# Altium PCB MODULE_CONTROL_V1.0.PcbDoc (part 1 of 2) (continued)
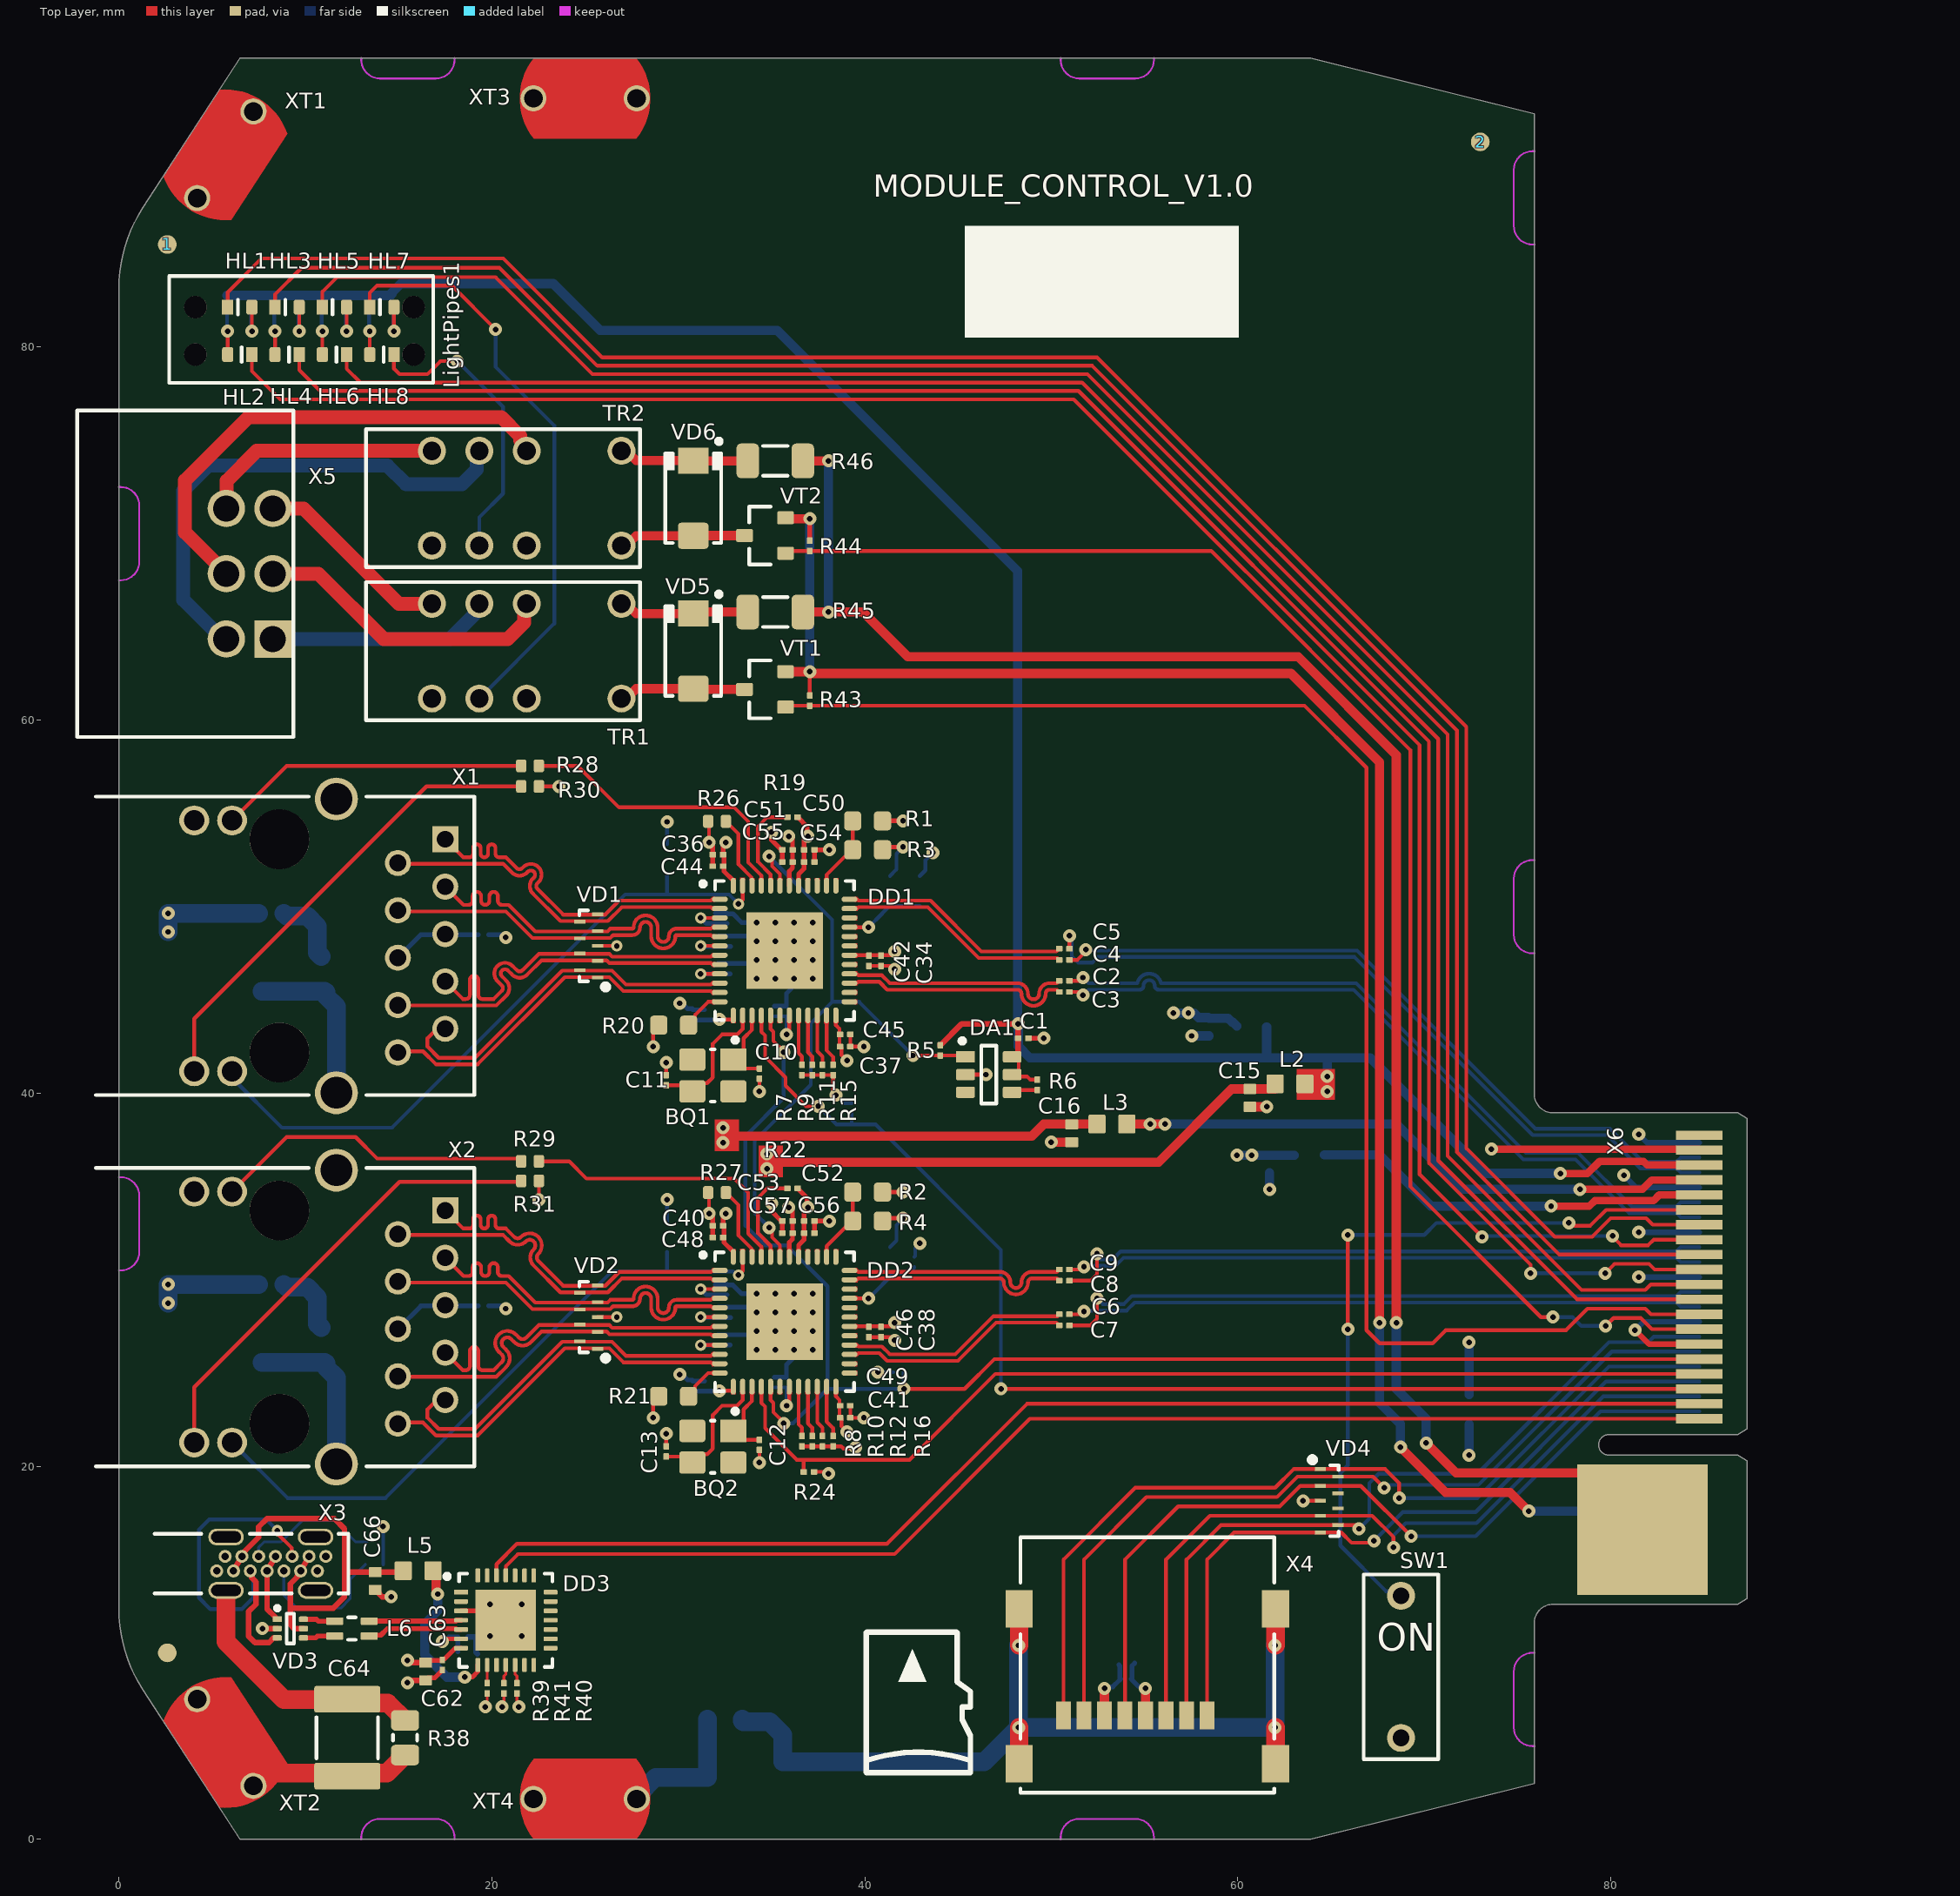
[diagram p0: Top Layer view]
## Components (designator, comment, footprint, x,y, rotation, side; value= is the part's Value field where it differs from the comment) (continued)
VD5 "GS1M" "DO-214AC (SMA) Polar" 30.8,63.7 r270 top
VD6 "GS1M" "DO-214AC (SMA) Polar" 30.8,71.9 r270 top
VT1 "2N7002K" SOT23-3 34.65,61.65 r180 top
VT2 "2N7002K" SOT23-3 34.65,69.9 r180 top
X1 "WE-RJ45LAN 7499111447" 7499111447 10.773,47.9 r90 top locked
X2 "WE-RJ45LAN 7499111447" 7499111447 10.773,28 r90 top locked
X3 "KUSBX-SL-CS1N14" KUSBX-SL-CS1N14 8.175,14.78 r270 top locked
X4 "WR-CRD 693072010801" 693072010801 54.5,6.65 r0 top locked
X5 "DMC-1-5-3-G1F-3-5-LR-P20THR" "DMC 1,5_3-G1F-3,5-LR" 7.013,67.85 r90 top locked
X6 "EDGE AMPHENOL CE1204000110111" "EDGE AMPHENOL CE1204000110111" 79.9,21.15 r90 top locked
XT1 "WP-SMRA 7466313" 7466313 5.711,90.31 r57 top locked
XT2 "WP-SMRA 7466313" 7466313 5.711,5.19 r123 top locked
XT3 "WP-SMRA 7466313" 7466313 25,93.335 r0 top locked
XT4 "WP-SMRA 7466313" 7466313 25,2.165 r0 top locked
? "Comment" TAB_d0,5_e0,75_q6_offset0,1_keepout 75.9,7.5 r270 top locked
? "Comment" TAB_d0,5_e0,75_q6_offset0,1_keepout 75.9,50 r270 top locked
? "Comment" TAB_d0,5_e0,75_q6_offset0,1_keepout 75.9,88 r270 top locked
? "Comment" TAB_d0,5_e0,75_q6_offset0,1_keepout 53,95.5 r0 top locked
? "Comment" TAB_d0,5_e0,75_q6_offset0,1_keepout 15.5,95.5 r0 top locked
? "Comment" TAB_d0,5_e0,75_q6_offset0,1_keepout 53,0 r180 top locked
? "Comment" TAB_d0,5_e0,75_q6_offset0,1_keepout 15.5,0 r180 top locked
? "Comment" TAB_d0,5_e0,75_q6_offset0,1_keepout 0,70 r90 top locked
? "Comment" TAB_d0,5_e0,75_q6_offset0,1_keepout 0,33 r90 top locked
? "Comment" Fiducial 2.6,10 r0 top locked

## Footprints (in the part's own frame and the unit in brackets; to place one, negate y for a bottom-side part, rotate by r counter-clockwise, add the part's x,y. Pads: shape width x height; smd on the part's side, far side on the other; paste and mask are expansions set on the pad)
1296.2024 [mm]
  round 1.2 hole 1.2 unplated paste-5 mask+0: 0(-1.27,-5.85) 0(-1.27,5.85) 0(1.27,-5.85) 0(1.27,5.85)
  silkscreen extent -2.78,-6.9 2.94,7.25, body extent -2.78,-6.9 2.94,10.05, height 11.15
"3225 Crystal" [mm]
  rect 1.4x1.2 smd: 1(-1.1,-0.85)
  rrect25% 1.4x1.2 smd: 2(1.1,-0.85) 3(1.1,0.85) 4(-1.1,0.85)
  silkscreen extent -1.33,-2.02 0.1,1.4, body extent -1.6,-1.25 1.6,1.25, height 0.75
7466313 [mm]
  round 1.4 on Top Paste: 0(-2.77,0) 0(2.77,0)
  round 1.4 hole 1 mask+0: 1(-2.77,0) 1(2.77,0)
  Top Layer region: -2.75,2.165 -3.414,0.772 -3.414,-0.772 -2.75,-2.165 -2.75,-2.165 2.75,-2.165 3.414,-0.772 3.414,0.772 2.75,2.165 2.75,2.165
  body extent -3.5,-2.16 3.5,2.17, height 7.01
7499111447 [mm]
  round 3.2 hole 3.2: 0(-5.715,2.16) 0(5.715,2.16)
  rect 1.4x1.4 hole 0.9: 1(5.715,-6.73)
  round 1.4 hole 0.9: 2(4.445,-4.19) 3(3.175,-6.73) 4(1.905,-4.19) 5(0.635,-6.73) 6(-0.635,-4.19) 7(-1.905,-6.73) 8(-3.175,-4.19) 9(-4.445,-6.73) 10(-5.715,-4.19)
  round 1.6 hole 1.1: 11(6.725,4.7) 12(6.725,6.73) 13(-6.725,4.7) 14(-6.725,6.73)
  round 2.3 hole 1.7: SH(-7.875,-0.89) SH(7.875,-0.89)
  silkscreen extent -8,-8.29 8,12, body extent -9.72,-8.29 9.72,13.01, height 15.29
693072010801 [mm]
  rect 1.45x2 smd: 0(-6.225,-2.6) 0(-6.225,5.7) 0(7.525,-2.6) 0(7.525,5.7)
  rect 0.8x1.5 smd mask+0.07: 1(3.85,0) 2(2.75,0) 3(1.65,0) 4(0.55,0) 5(-0.55,0) 6(-1.65,0) 7(-2.75,0) 8(-3.85,0)
  silkscreen extent -6.15,-4.15 7.45,9.55, body extent -6.6,-4.15 7.9,9.55, height 1.77
A(K)PTD1608CGCK-pads-for-Mentor-lightpipes [mm]
  rrect40% 0.6x0.8 smd: A(0.65,0)
  rect 0.6x0.8 smd: C(-0.65,0)
  silkscreen extent -0.1,-0.4 -0.1,0.4, body extent -0.8,-0.4 0.8,0.4, height 0.96
CAP0201(0603x03)N [mm] "Chip Capacitor, 2-Leads, Body 0,60x0,30mm, IPC Medium Density"
  rrect20% 0.35x0.3 smd paste-3 mask+0.05: 1(-0.275,0) 2(0.275,0)
  body extent -0.3,-0.15 0.3,0.15, height 0.31
CAP0402(1005x05)N [mm] "Chip Capacitor, 2-Leads, Body 1,00x0,50mm, IPC Medium Density"
  rrect20% 0.55x0.69 smd: 1(-0.475,0) 2(0.475,0)
  body extent -0.5,-0.25 0.5,0.25, height 0.51
CAP1812(4532x25)N [mm] "Chip Capacitor, 2-Leads, Body 4,50x3,20mm, IPC Medium Density"
  rrect15% 1.42x3.54 smd: 1(-2.06,0) 2(2.06,0)
  silkscreen extent -1.1,-1.65 1.1,1.65, body extent -2.25,-1.6 2.25,1.6, height 2.51
DFN3810-9L [mm]
  rect 0.2x0.6 smd mask+0.07: 1(-1.7,-0.475) 2(-0.8,-0.475) 3(0,-0.475) 4(0.8,-0.475) 5(1.7,-0.475) 6(1.3,0.475) 7(0.4,0.475) 8(-0.4,0.475) 9(-1.3,0.475)
  silkscreen extent -2.3,-1 1.9,0.5, body extent -1.9,-0.5 1.9,0.5, height 0.55
"DMC 1,5_3-G1F-3,5-LR" [mm]
  rect 2x2 hole 1.4: 1(-3.5,-1.25)
  round 2 hole 1.4: 2(-3.5,1.25) 3(0,-1.25) 4(0,1.25) 5(3.5,-1.25) 6(3.5,1.25)
  silkscreen extent -8.75,-2.35 8.75,9.25, body extent -8.75,-2.35 8.75,9.25, height 10.81
"DO-214AC (SMA) Polar" [mm]
  rrect25% 1.4x1.64 smd: A(2.015,0)
  rect 1.4x1.64 smd: C(-2.015,0)
  silkscreen extent -3.17,-1.5 2.4,1.5, body extent -2.8,-1.47 2.8,1.48, height 2.7
DS1040-01RN [mm]
  round 1.5 hole 0.9: 1(0,-3.81) 2(0,3.81)
  silkscreen extent -2,-4.95 2,4.95, body extent -1.92,-4.95 1.92,4.95, height 6.86
"EDGE AMPHENOL CE1204000110111" [mm]
  rect 0.5x2.5 smd paste-10 mask+0: 1(1.4,-4.85) 3(2.2,-4.85) 5(3,-4.85) 7(3.8,-4.85) 9(4.6,-4.85) 11(5.4,-4.85) 13(6.2,-4.85) 15(7,-4.85) 17(7.8,-4.85) 19(8.6,-4.85) 21(9.4,-4.85) 23(10.2,-4.85) 25(11,-4.85) 27(11.8,-4.85) 29(12.6,-4.85) 31(13.4,-4.85) 33(14.2,-4.85) 35(15,-4.85) 37(15.8,-4.85) 39(16.6,-4.85)
  rect 0.5x2.5 smd far side paste-10 mask+0: 2(1,-4.85) 4(1.8,-4.85) 6(2.6,-4.85) 8(3.4,-4.85) 10(4.2,-4.85) 12(5,-4.85) 14(5.8,-4.85) 16(6.6,-4.85) 18(7.4,-4.85) 20(8.2,-4.85) 22(9,-4.85) 24(9.8,-4.85) 26(10.6,-4.85) 28(11.4,-4.85) 30(12.2,-4.85) 32(13,-4.85) 34(13.8,-4.85) 36(14.6,-4.85) 38(15.4,-4.85) 40(16.2,-4.85)
  rect 7x7 smd paste-10 mask+0: P1(-4.55,-1.8)
  rect 7x7 smd far side paste-10 mask+0: P2(-4.55,-1.8)
  Top Layer region: -7.56,-16.51
Fiducial [mm]
  round 1 smd paste-5 mask+0.5: FM(0,0)
  Top Layer pour cut-out: 0,1.25 0.478,1.155 0.884,0.884 1.155,0.478 1.25,0 1.25,0 1.155,-0.478 0.884,-0.884 0.478,-1.155 0,-1.25 0,-1.25 -0.478,-1.155 -0.884,-0.884 -1.155,-0.478 -1.25,0 -1.25,0 -1.155,0.478 -0.884,0.884 -0.478,1.155 0,1.25
IND0603N [mm] "Chip Inductor, 2-Leads, Body 1,60x0,80mm, IPC Medium Density"
  rrect20% 0.92x1.02 smd: 1(-0.8,0) 2(0.8,0)
  body extent -0.88,-0.48 0.87,0.47, height 1.01
KUSBX-SL-CS1N14 [mm]
  round 0.7 hole 0.4 mask+0.06: A1(-0.39,-2.475) A4(-0.39,-1.575) A5(-0.39,-0.675) A6(-0.39,0.225) A7(-0.39,1.125) A9(-0.39,2.025) A12(-0.39,2.925) B1(0.39,2.475) B4(0.39,1.575) B5(0.39,0.675) B6(0.39,-0.225) B7(0.39,-1.125) B9(0.39,-2.025) B12(0.39,-2.925)
  oval 0.9x1.9 hole 0.6 slot 1.6 at 90 deg mask+0.07: SH(-1.43,2.375) SH(-1.43,-2.425) SH(1.43,2.375) SH(1.43,-2.425)
  silkscreen extent -1.6,-6.25 1.6,4.14, body extent -1.9,-10.41 1.9,4.14, height 9.05
"QFN-28 (5x5x1)" [mm] "QFN, 28-Leads, Body 5,00x5,00mm, Pitch 0,50mm, Thermal Pad 3,15x3,15mm"
  rect 0.75x0.25 smd mask+0.07: 1(-2.4,1.5)
  rrect50% 0.75x0.25 smd mask+0.07: 2(-2.4,1) 3(-2.4,0.5) 4(-2.4,0) 5(-2.4,-0.5) 6(-2.4,-1) 7(-2.4,-1.5) 15(2.4,-1.5) 16(2.4,-1) 17(2.4,-0.5) 18(2.4,0) 19(2.4,0.5) 20(2.4,1) 21(2.4,1.5)
  rrect50% 0.25x0.75 smd mask+0.07: 8(-1.5,-2.4) 9(-1,-2.4) 10(-0.5,-2.4) 11(0,-2.4) 12(0.5,-2.4) 13(1,-2.4) 14(1.5,-2.4) 22(1.5,2.4) 23(1,2.4) 24(0.5,2.4) 25(0,2.4) 26(-0.5,2.4) 27(-1,2.4) 28(-1.5,2.4)
  rect 3.25x3.25 smd paste-10: EP(0,0)
  silkscreen extent -3.27,-2.5 2.5,2.5, body extent -2.5,-2.5 2.5,2.5, height 1
RES0201N [mm] "Chip Resistor, 2-Leads, Body 0,60x0,30mm, IPC Medium Density"
  rrect20% 0.35x0.3 smd paste-3 mask+0.05: 1(-0.275,0) 2(0.275,0)
  Top Layer region: -0.49,0.175
  body extent -0.31,-0.17 0.32,0.16, height 0.28
RES0402N [mm] "Chip Resistor, 2-Leads, Body 1,00x0,50mm, IPC Medium Density"
  rrect40% 0.55x0.69 smd: 1(-0.475,0) 2(0.475,0)
  body extent -0.57,-0.27 0.58,0.28, height 0.4
RES0603N [mm] "Chip Resistor, 2-Leads, Body 1,60x0,80mm, IPC Medium Density"
  rrect40% 0.92x1.02 smd: 1(-0.8,0) 2(0.8,0)
  body extent -0.85,-0.4 0.85,0.4, height 0.56
RES0805N [mm] "Chip Resistor, 2-Leads, Body 2,00x1,25mm, IPC Medium Density"
  rrect40% 1.1x1.5 smd: 1(-0.93,0) 2(0.93,0)
  silkscreen extent -0.15,-0.65 0.15,0.65, body extent -1.15,-0.67 1.15,0.68, height 0.76
RES1206N [mm] "Chip Resistor, 2-Leads, Body 3,20x1,60mm, IPC Medium Density"
  rrect40% 1.2x1.86 smd: 1(-1.48,0) 2(1.48,0)
  silkscreen extent -0.65,-0.8 0.65,0.8, body extent -1.67,-0.86 1.68,0.87, height 0.85
"RGZ (S-PVQFN-N48)" [mm] "QFN, 48-Leads, Body 7,00x7,00mm, Pitch 0,50mm, Thermal Pad 4,08x4,08mm, IPC Medium Density"
  oval 0.85x0.28 smd mask+0.07: 1(-3.475,2.75) 2(-3.475,2.25) 3(-3.475,1.75) 4(-3.475,1.25) 5(-3.475,0.75) 6(-3.475,0.25) 7(-3.475,-0.25) 8(-3.475,-0.75) 9(-3.475,-1.25) 10(-3.475,-1.75) 11(-3.475,-2.25) 12(-3.475,-2.75) 25(3.475,-2.75) 26(3.475,-2.25) 27(3.475,-1.75) 28(3.475,-1.25) 29(3.475,-0.75) 30(3.475,-0.25) 31(3.475,0.25) 32(3.475,0.75) 33(3.475,1.25) 34(3.475,1.75) 35(3.475,2.25) 36(3.475,2.75)
  oval 0.28x0.85 smd mask+0.07: 13(-2.75,-3.475) 14(-2.25,-3.475) 15(-1.75,-3.475) 16(-1.25,-3.475) 17(-0.75,-3.475) 18(-0.25,-3.475) 19(0.25,-3.475) 20(0.75,-3.475) 21(1.25,-3.475) 22(1.75,-3.475) 23(2.25,-3.475) 24(2.75,-3.475) 37(2.75,3.475) 38(2.25,3.475) 39(1.75,3.475) 40(1.25,3.475) 41(0.75,3.475) 42(0.25,3.475) 43(-0.25,3.475) 44(-0.75,3.475) 45(-1.25,3.475) 46(-1.75,3.475) 47(-2.25,3.475) 48(-2.75,3.475)
  rect 4.1x4.1 smd paste-10: EP(0,0)
  Top Layer region: -3.9,2.61 -3.75,2.61 -3.75,2.89 -3.9,2.89
  Top Layer region: -3.9,2.11 -3.75,2.11 -3.75,2.39 -3.9,2.39
  Top Layer region: -3.9,1.61 -3.75,1.61 -3.75,1.89 -3.9,1.89
  Top Layer region: -3.9,1.11 -3.75,1.11 -3.75,1.39 -3.9,1.39
  Top Layer region: -3.9,0.61 -3.75,0.61 -3.75,0.89 -3.9,0.89
  Top Layer region: -3.9,0.11 -3.75,0.11 -3.75,0.39 -3.9,0.39
  Top Layer region: -3.9,-0.39 -3.75,-0.39 -3.75,-0.11 -3.9,-0.11
  Top Layer region: -3.9,-0.89 -3.75,-0.89 -3.75,-0.61 -3.9,-0.61
  Top Layer region: -3.9,-1.39 -3.75,-1.39 -3.75,-1.11 -3.9,-1.11
  Top Layer region: -3.9,-1.89 -3.75,-1.89 -3.75,-1.61 -3.9,-1.61
  Top Layer region: -3.925,-2.39 -3.775,-2.39 -3.775,-2.11 -3.925,-2.11
  Top Layer region: -3.9,-2.89 -3.75,-2.89 -3.75,-2.61 -3.9,-2.61
  Top Layer region: 2.89,-3.9 2.89,-3.75 2.61,-3.75 2.61,-3.9
  Top Layer region: 2.39,-3.925 2.39,-3.775 2.11,-3.775 2.11,-3.925
  Top Layer region: 1.89,-3.9 1.89,-3.75 1.61,-3.75 1.61,-3.9
  Top Layer region: 1.39,-3.9 1.39,-3.75 1.11,-3.75 1.11,-3.9
  Top Layer region: 0.89,-3.9 0.89,-3.75 0.61,-3.75 0.61,-3.9
  Top Layer region: 0.39,-3.9 0.39,-3.75 0.11,-3.75 0.11,-3.9
  Top Layer region: -0.11,-3.9 -0.11,-3.75 -0.39,-3.75 -0.39,-3.9
  Top Layer region: -0.61,-3.9 -0.61,-3.75 -0.89,-3.75 -0.89,-3.9
  Top Layer region: -1.11,-3.9 -1.11,-3.75 -1.39,-3.75 -1.39,-3.9
  Top Layer region: -1.61,-3.9 -1.61,-3.75 -1.89,-3.75 -1.89,-3.9
  Top Layer region: -2.11,-3.9 -2.11,-3.75 -2.39,-3.75 -2.39,-3.9
  Top Layer region: -2.61,-3.9 -2.61,-3.75 -2.89,-3.75 -2.89,-3.9
  Top Layer region: 3.9,2.89 3.75,2.89 3.75,2.61 3.9,2.61
  Top Layer region: 3.925,2.39 3.775,2.39 3.775,2.11 3.925,2.11
  Top Layer region: 3.9,1.89 3.75,1.89 3.75,1.61 3.9,1.61
  Top Layer region: 3.9,1.39 3.75,1.39 3.75,1.11 3.9,1.11
  Top Layer region: 3.9,0.89 3.75,0.89 3.75,0.61 3.9,0.61
  Top Layer region: 3.9,0.39 3.75,0.39 3.75,0.11 3.9,0.11
  Top Layer region: 3.9,-0.11 3.75,-0.11 3.75,-0.39 3.9,-0.39
  Top Layer region: 3.9,-0.61 3.75,-0.61 3.75,-0.89 3.9,-0.89
  Top Layer region: 3.9,-1.11 3.75,-1.11 3.75,-1.39 3.9,-1.39
  Top Layer region: 3.9,-1.61 3.75,-1.61 3.75,-1.89 3.9,-1.89
  Top Layer region: 3.9,-2.11 3.75,-2.11 3.75,-2.39 3.9,-2.39
  Top Layer region: 3.9,-2.61 3.75,-2.61 3.75,-2.89 3.9,-2.89
  Top Layer region: -2.89,3.9 -2.89,3.75 -2.61,3.75 -2.61,3.9
  Top Layer region: -2.39,3.925 -2.39,3.775 -2.11,3.775 -2.11,3.925
  Top Layer region: -1.89,3.9 -1.89,3.75 -1.61,3.75 -1.61,3.9
  Top Layer region: -1.39,3.9 -1.39,3.75 -1.11,3.75 -1.11,3.9
  Top Layer region: -0.89,3.9 -0.89,3.75 -0.61,3.75 -0.61,3.9
  Top Layer region: -0.39,3.9 -0.39,3.75 -0.11,3.75 -0.11,3.9
  Top Layer region: 0.11,3.9 0.11,3.75 0.39,3.75 0.39,3.9
  Top Layer region: 0.61,3.9 0.61,3.75 0.89,3.75 0.89,3.9
  Top Layer region: 1.11,3.9 1.11,3.75 1.39,3.75 1.39,3.9
  Top Layer region: 1.61,3.9 1.61,3.75 1.89,3.75 1.89,3.9
  Top Layer region: 2.11,3.9 2.11,3.75 2.39,3.75 2.39,3.9
  Top Layer region: 2.61,3.9 2.61,3.75 2.89,3.75 2.89,3.9
  silkscreen extent -4.5,-3.73 3.73,3.72, body extent -3.57,-3.57 3.57,3.57, height 1
SOT23-3 [mm] "SOT23, TO-236, 3-Leads, Body 2,95x2,45mm, Pitch 0,95mm, IPC Medium Density"
  rrect25% 0.9x0.7 smd: 1(-1.1,0.95) 2(-1.1,-0.95) 3(1.1,0)
  silkscreen extent -0.3,-1.55 0.85,1.55, body extent -1.4,-1.45 1.4,1.45, height 1.2
SOT23-6 [mm] "SOT23, 6-Leads, Body 2,90x2,70mm, Pitch 0,95mm, IPC Medium Density"
  rect 1x0.6 smd: 1(-1.25,0.95)
  rrect25% 1x0.6 smd: 2(-1.25,0) 3(-1.25,-0.95) 4(1.25,-0.95) 5(1.25,0) 6(1.25,0.95)
  silkscreen extent -1.55,-1.55 0.4,1.92, body extent -1.4,-1.45 1.4,1.45, height 1.45
SOT-563 [mm] "SOT-563, 6-Leads, Body 1,60x1,20mm, Pitch 0,5mm"
  rect 0.5x0.3 smd mask+0.06: 1(-0.7,0.5)
  rrect50% 0.5x0.3 smd mask+0.06: 2(-0.7,0) 3(-0.7,-0.5) 4(0.7,-0.5) 5(0.7,0) 6(0.7,0.5)
  silkscreen extent -0.8,-0.8 0.2,1.2, body extent -0.8,-0.8 0.8,0.8, height 0.6
TAB_d0,5_e0,75_q6_offset0,1_keepout [mm]
  Keep-Out Layer lines w0.1: 2.5,-0.102 2.5,0 ; -2.5,-0.102 -2.5,0 ; 2.5,-0.1 cw(c1.5,-0.1) 1.5,-1.1 -1.5,-1.1 cw(c-1.5,-0.1) -2.5,-0.1
V23079-A1-MONOSTABLE [mm]
  round 1.5 hole 1: 1(-6.35,-2.54) 3(-1.27,-2.54) 4(1.27,-2.54) 5(3.81,-2.54) 8(3.81,2.54) 9(1.27,2.54) 10(-1.27,2.54) 12(-6.35,2.54)
  silkscreen extent -7.35,-3.7 7.35,3.7, body extent -7.25,-3.6 7.25,3.6, height 9.9
"WE-CNSW 0805" [mm]
  rrect20% 0.9x0.4 smd: 1(-0.925,0.4) 2(0.925,0.4) 3(0.925,-0.4) 4(-0.925,-0.4)
  silkscreen extent -0.2,-0.6 0.2,0.6, body extent -1,-0.6 1,0.6, height 1.4

## Part data
BQ1 BQ2: library part SMD3225, "Кварцевый резонатор DSX321G 25 MHz 12 pF -40+85C", TYPE="SMD3225 24.000 MHz"
C1 C2 C3 C4 C5 C6 C7 C8 C9 C26 C27 C28 C29 C30 C31 C32 C33 C42 C43 C44 C45 C46 C47 C48 C49 C54 C55 C56 C57 C58 C59 C63 C67 C70: library part C0201, "Чип-конденсатор 0,1 мкФ 10 В 0201", TYPE="Чип-конденсатор 0201"
C10 C11 C12 C13: library part C0201, "Чип-конденсатор 22 пФ 25 В 0201", TYPE="Чип-конденсатор 0201"
C14 C15 C16 C17: library part C0402, "Чип-конденсатор 10 мкФ 6,3 В 0402", TYPE="Чип-конденсатор 0402"
C18 C19 C20 C21 C22 C23 C24 C25 C34 C35 C36 C37 C38 C39 C40 C41 C50 C51 C52 C53: library part C0201, "Чип-конденсатор 1 мкФ 10 В 0201", TYPE="Чип-конденсатор 0201"
C60 C61 C64 C68: library part C1812, "Чип-конденсатор 2200 пФ 4 кВ 1812", TYPE="Чип-конденсатор 0402"
C62 C65 C66 C69: library part C0402, "Чип-конденсатор 4,7 мкФ 16 В 0402", TYPE="Чип-конденсатор 0402"
DA1: library part TPS3808G18DBVR, "Микросхема TPS3808G25DBV SOT-23-6", Manufactory="Texas Instruments", Function="Programmable-Delay Supervisory Circuit"
DD1 DD2: "Микросхема DP83867ERGZ", ExtendedDescription="10/100/1000 Ethernet Physical  Layer Transceiver"
DD3: "Преобразователь USB-UART CP2102-GMR QFN-28"
HL1 HL2 HL3 HL4 HL5 HL6 HL7 HL8: library part 7057, "Светодиод SMD зелёный KPTD-1608CGCK Kingbright", ComponentLink1Description="Сайт производителя", ComponentLink1URL=http://www.kingbright.com/, ComponentLink2Description=DSAK0798, ComponentLink2URL="\\JSERV\SQLEXPRESS\CmpDB\DocLibrary\Datasheets\По производителям\Kingbright\KPTD-1608CGCK.pdf", ID=7057, Группа=Светодиоды, Документы="DS No DSAK0798", Описание="Светодиод SMD зелёный KPTD-1608CGCK Kingbright", Производитель="Kingbright Electronic Co, Ltd", Серия=KPTD-1608, Тип=Светодиоды, УсловноеОбозначение=KPTD-1608CGCK
L1 L2 L3 L4 L5 L7: library part BLM18PG121SN1D, "Индуктивность SB01-160808121P", Manufactory="CHIKARA Electronics", Function="120 Ohms @ 100MHz 1 Power Line Ferrite Bead 0603 (1608 Metric) 2,2 A"
L6: library part WE-CNSW_744231091, "Линейный фильтр WE-CNSW 744231091 Wurth Elektronik"
LightPipes1: library part 7334
R1 R2 R17 R32 R33: library part R0603, "Чип-резистор 2,49 кОм 1% 0603", TYPE="Чип-резистор 0603"
R3 R4 R13: library part R0603, "Чип-резистор 5,76 кОм 1% 0603", TYPE="Чип-резистор 0603"
R5 R7 R8 R9 R10 R11 R12 R15 R16 R19 R22 R23 R24 R25 R39 R40 R41 R43 R44: library part R0201, "Чип-резистор 2,2 кОм 5% 0201", TYPE="Чип-резистор 0201"
R6 R18: library part R0201, "Чип-резистор 10 кОм 1% 0201", TYPE="Чип-резистор 0201"
R14: library part R0603, "Чип-резистор 4,02 кОм 1% 0603", TYPE="Чип-резистор 0603"
R20 R21: library part R0603, "Чип-резистор 11 кОм 1% 0603", TYPE="Чип-резистор 0603"
R26 R27 R28 R29 R30 R31 R47 R48 R49 R50 R51 R52 R53 R54: library part R0402, "Чип-резистор 470 Ом 5% 0402", TYPE="Чип-резистор 0402"
R34 R35 R38 R42: library part R0805, "Чип-резистор 9,1 МОм 5% 0805", TYPE="Чип-резистор 0805"
R36 R37: library part R0402, "Чип-резистор 5,1 кОм 5% 0402", TYPE="Чип-резистор 0402"
R45 R46: library part R1206, "Чип-резистор 10 Ом 5% 1206", TYPE="Чип-резистор 1206"
SW1: "DIP-переключатель DS1040-01RN Connfly"
TR1 TR2: library part V23079-A1005-B301, "Реле V23079-A1003-B301"
VD1 VD2 VD4: "Диодная сброка ESD защиты WE-TVS 824014881 Wurth Elektronik"
VD3: library part WE-TVS_82400152, "Диодная сброка ESD защиты WE-TVS 82400152 WURTH ELEKTRONIK"
VD5 VD6: "Диод GS1M SMA(DO-214AC)"
VT1 VT2: "Транзистор MOSFET N-Channel 2N7002K-T1-E3 SOT-23 Vishay"
X1 X2: "Разъём RJ-45 c трансформатором WE-RJ45LAN 7499111447 Wurth Elektronik"
X3: library part MOLEX_105455-0101, "Разъём USB Type C KUSBX-SL-CS1N14"
X4: library part WR-CRD_693072010801, "Разъём WR-CRD 693072010801", Manufactory="Wurth Elektronik", Function="Micro SD Card Connector - Hinge - 8 pins"
X5: "Разъём DMC-1-5-3-G1F-3-5-LR-P20THR"
X6: library part MOLEX_76861_1120_SLOT, "Слот для разъёма EDGE AMPHENOL CE1204000110111"
XT1 XT2 XT3 XT4: library part 7315, "Контакт заземления на плату WP-SMRA 7466313", ComponentLink1Description="Сайт производителя", ComponentLink1URL=https://www.we-online.com/web/en/wuerth_elektronik/start.php, ComponentLink2Description="ГОСТ 16840-78", ComponentLink2URL="\\JSERV\SQLEXPRESS\CmpDB\DocLibrary\ГОСТ\ГОСТ 16840-78 Лепестки штырьковые. Конструкция и размеры.pdf", ID=7315, Группа=Соединители, Описание="Контакт заземления на плату WP-SMRA 7466313", Производитель="Wurth Elektronik", Серия=WP-SMRA, Тип="Соединители прочие", УсловноеОбозначение=7466313

## Via types
v1: diameter 0.7, hole 0.3, Top Layer to Bottom Layer, tented both sides, 152 vias
v2: diameter 0.6, hole 0.3, Top Layer to Bottom Layer, tented bottom, 32 vias
v3: diameter 0.6, hole 0.3, Top Layer to Bottom Layer, tented both sides, 11 vias
v4: diameter 0.7, hole 0.3, Top Layer to Bottom Layer, tented bottom, 4 vias

## Nets (pads, with @x,y where several pads share a name; then routed paths per layer and width w, separated by ;. In a path a pad name is that pad's centre, name@x,y a point inside that pad or via, vN(x,y) a via of type N, cw(c..) or ccw(c..) an arc to the next point about the centre after c; other vN are vias at no path point)
+1V1_EXT: L4.1 X6.31 | length 21.5
  Top Layer w0.4: v1(76.8,33.95) 78.85,33.95 79.15,34.25 82.3,34.25 82.6,34.55 X6.31@84.75,34.55
  Bottom Layer w0.5: L4.1@64.65,36.7 67.6,36.7 70.35,33.95 v1(76.8,33.95)
+1V8_EXT: L3.1 X6.33 | length 33.2
  Top Layer w0.4: v1(78.35,34.85) 81.7,34.85 82.2,35.35 X6.33@84.75,35.35
  Top Layer w0.5: L3.1@54.05,38.35 v1(55.3,38.35) v1(56.1,38.35)
  Bottom Layer w0.5: v1(55.3,38.35) v1(56.1,38.35) 68.5,38.35 72,34.85 v1(78.35,34.85)
+2V5_EXT: C1.1 DA1.5 DA1.6 L1.1 L2.1 R5.1 R6.1 R47.1 R48.1 R49.1 R50.1 R51.1 R52.1 R53.1 R54.1 X6.35 | length 126.5
  Top Layer w0.2: DA1.5@47.9,41 48,40.9 48.7,40.9 48.875,40.725 R6.1@49.25,40.725 ; DA1.5@48.25,41 DA1.6@48.25,41.95
  Top Layer w0.3: R5.1@44.05,42.575 44.05,42.6 44.075,42.6 45.2,43.725 v1(48.225,43.725) C1.1@48.225,42.95 48.225,42.1 DA1.6@48.075,41.95
  Top Layer w0.4: v1(77.3,35.7) 78.75,35.7 79.4,36.35 81.75,36.35 81.95,36.15 X6.35@84.75,36.15
  Bottom Layer w0.5: R48.1@5.8,82.775 R47.1@7.1,82.775 R50.1@8.325,82.775 ; R50.1@8.35,82.775 R49.1@9.65,82.775 R52.1@10.9,82.775 R51.1@12.2,82.775 R54.1@13.4,82.775 R53.1@14.5,82.775 14.57,82.775 14.645,82.85 14.645,82.92 15.125,83.4 23.3,83.4 25.8,80.9 35.3,80.9 48.2,68 v1@48.2,43.725 ; v1(48.225,43.725) 48.225,42.525 48.85,41.9 64.8,41.9 ; 61.55,41.95 L1.1@61.55,43.55 ; v1(64.8,40.1) v1(64.8,40.9) 64.8,41.9 ; v1(77.3,35.7) 73.3,35.7 67.1,41.9 64.8,41.9
+3V3: C62.2 C63.1 C65.2 C67.1 C69.2 C70.1 DD3.6 DD3.7 L7.1 R39.2 R41.2 X4.4 | length 12
  Top Layer w0.15: v1@19.75,7.25 R39.2@19.75,7.825 ; v1@20.65,7.25 R41.2@20.65,7.825
  Top Layer w0.25: C62.2@16.45,9.475 16.575,9.6 17.325,9.6 C63.1@17.35,9.625 17.35,9.65 17.375,9.675 17.475,9.675 18.05,10.25 DD3.7@18.35,10.25 ; v1(17.35,10.6) 17.5,10.75 DD3.6@18.35,10.75
  Top Layer w0.3: v1@15.475,9.475 C62.2@16.45,9.475
  Top Layer w0.5: X4.4@55.05,6.65 v1(55.05,8.1)
  Bottom Layer w0.25: v1(17.35,10.6) 17.454,10.6 17.704,10.85 C67.1@18.175,10.85 C65.2@18.175,10.05 ; C70.1@54.275,8.6 C70.1@54.3,8.6 ; C69.2@54.475,9.45 54.325,9.3 54.325,8.625 C70.1@54.3,8.6 ; v1@54.964,8.186 54.689,8.186 54.325,8.55 54.325,8.575 C70.1@54.3,8.6
  Bottom Layer w0.5: v1(72.4,20.6) L7.1@72.4,22.25
  other v1: 19.65,7.1 20.55,7.1 15.475,9.6
AGND: R43.1 R44.1 VT1.2 VT2.2 X6.P2 | length 97.8
  Top Layer w0.2: R43.1@37.05,61.325 v1(37.05,62.6)
  Top Layer w0.25: R44.1@37.05,69.625 v1(37.05,70.8)
  Top Layer w0.5: VT1.2@35.75,62.6 v1(37.05,62.6) 37.15,62.5 62.85,62.5 67.6,57.75 v1(67.6,27.7) ; VT2.2@35.8,70.8 v1(37.05,70.8) ; v1(68.725,21.025) 71.15,18.6 74.6,18.6 v1(75.6,17.6)
  Bottom Layer w0.5: v1(37.05,62.6) v1(37.05,70.8) ; v1(67.6,27.7) 67.6,23.4 68.725,22.275 v1(68.725,21.025) ; v1(75.6,17.6) 80.7,17.6 X6.P2@81.7,16.6
BTN_EXT: SW1.2 X6.29 | length 40.7
  Top Layer w0.2: v1(65.9,27.35) v1(65.9,32.4) ; v1(77.75,33.05) 77.9,32.9 78.9,32.9 79.75,33.75 X6.29@84.75,33.75
  Bottom Layer w0.2: v1(65.9,27.35) 65.9,20.05 65.5,19.65 65.5,15.75 67.941,13.309 68.501,13.309 SW1.2@68.75,13.06 ; v1(65.9,32.4) 70,32.4 70.65,33.05 v1(77.75,33.05)
CC1: R36.1 X3.A5 | length 7.4
  Bottom Layer w0.15: X3.A5@7.5,15.17 7.5,15.65 7.8,15.95 8.7,15.95 9.85,17.1 11.55,17.1 12.7,15.95 R36.1@13.3,15.95
CC2: R37.1 X3.B5 | length 7.5
  Bottom Layer w0.15: X3.B5@8.85,14.39 8.85,13.1 9.55,12.4 11.9,12.4 12.4,12.9 12.4,13.925 R37.1@13.225,14.75
CONSOLE_RXD: DD3.26 X6.3 | length 68.7
  Top Layer w0.2: DD3.26@20.25,14.15 20.25,14.75 21.35,15.85 41.2,15.85 48.7,23.35 X6.3@84.75,23.35
CONSOLE_TXD: DD3.25 X6.1 | length 67.8
  Top Layer w0.2: DD3.25@20.75,14.15 20.75,14.65 21.4,15.3 41.6,15.3 48.85,22.55 X6.1@84.75,22.55
D_N: VD3.3 X3.A7 X3.B7 | length 20.5
  Top Layer w0.2: v3(8.5,16.55) 8.5,16.4 9.273,15.627 9.273,15.197 X3.A7@9.3,15.17
  Top Layer w0.3: X3.B7@7.05,14.39 7.117,14.323 7.117,14.033 7.35,13.8 7.35,12.6 6.95,12.2 6.95,10.9 7.3,10.55 8.05,10.55 8.3,10.8 VD3.3@8.5,10.8
  Bottom Layer w0.2: X3.B7@7.05,14.39 7.05,14.348 7.2,14.198 7.2,12.95 6.6,12.35 4.9,12.35 4.3,12.95 4.3,16.6 4.85,17.15 7.9,17.15 v3(8.5,16.55)
D_P: VD3.1 X3.A6 X3.B6 | length 3.8
  Top Layer w0.3: X3.A6@8.4,15.17 X3.B6@7.95,14.39 7.95,12.35 8.4,11.9 8.4,11.8 VD3.1@8.5,11.8
DOUT1: HL1.C X6.27 | length 116
  Top Layer w0.2: HL1.C@5.835,82.14 5.835,82.935 7.65,84.75 20.614,84.75 25.914,79.45 52.45,79.45 72.25,59.65 72.25,37.05 77,32.3 79,32.3 80,33.3 81.9,33.3 82.25,32.95 X6.27@84.75,32.95
DOUT2: HL2.C X6.25 | length 111.5
  Top Layer w0.2: HL2.C@7.135,79.6 7.135,78.715 8.65,77.2 51.2,77.2 69.75,58.65 69.75,35.65 v1(73.1,32.3) ; v1@80.075,32.325 80.55,31.85 82,31.85 82.3,32.15 X6.25@84.75,32.15
  Bottom Layer w0.2: v1@73.15,32.35 v1(80.1,32.35)
DOUT3: HL3.C X6.23 | length 112.8
  Top Layer w0.2: HL3.C@8.375,82.14 8.375,82.825 9.8,84.25 20.407,84.25 25.657,79 52.193,79 71.75,59.443 71.75,36.843 77.243,31.35 X6.23@84.75,31.35
DOUT4: HL4.C X6.21 | length 109.8
  Top Layer w0.2: HL4.C@9.675,79.6 9.675,78.775 10.8,77.65 51.457,77.65 70.25,58.857 70.25,36.257 75.7,30.807 v1(75.7,30.35) ; v1(79.7,30.35) 80.2,30.85 82.05,30.85 82.35,30.55 X6.21@84.75,30.55
  Bottom Layer w0.2: v1(75.7,30.35) v1(79.7,30.35)
DOUT5: HL5.C X6.19 | length 110.8
  Top Layer w0.2: HL5.C@10.915,82.14 10.915,82.965 11.7,83.75 20.2,83.75 25.4,78.55 51.936,78.55 71.25,59.236 71.25,36.636 78.436,29.45 81.85,29.45 82.15,29.75 X6.19@84.75,29.75
DOUT6: HL6.C X6.17 | length 107.2
  Top Layer w0.2: HL6.C@12.215,79.6 12.215,78.835 12.95,78.1 51.644,78.1 70.75,58.994 70.75,36.394 78.194,28.95 X6.17@84.75,28.95
DOUT7: R43.2 VT1.1 X6.15 | length 81.6
  Top Layer w0.2: VT1.1@35.825,60.775 R43.2@37.05,60.775 63.575,60.775 66.9,57.45 66.9,27.3 67.6,26.6 70.45,26.6 71.15,27.3 77.6,27.3 78.75,28.45 81.85,28.45 82.15,28.15 X6.15@84.75,28.15
DOUT8: R44.2 VT2.1 X6.13 | length 80.2
  Top Layer w0.2: VT2.1@35.875,69.075 R44.2@37.05,69.075 58.575,69.075 69.25,58.4 69.25,35 76.25,28 v1(76.9,28) ; v1(79.725,27.525) 80.15,27.95 81.6,27.95 82.2,27.35 X6.13@84.75,27.35
  Bottom Layer w0.2: v1(76.9,28) 77.95,28 78.425,27.525 v1(79.725,27.525)
eth_1V0: C17.2 C21.1 C25.1 C29.1 C33.1 C37.1 C41.1 C45.1 C49.1 C51.1 C53.1 C55.1 C57.1 DD1.6 DD1.24 DD1.42 DD2.6 DD2.24 DD2.42 L4.2 | length 19.1
  Top Layer w0.2: v3(31.2,28) DD2.6@32.225,28 ; v3(31.2,47.9) DD1.6@32.225,47.9 ; DD2.24@38.45,24.275 38.45,23.75 38.647,23.553 C41.1@38.647,22.628 ; DD1.24@38.45,44.175 38.45,43.65 38.647,43.453 C37.1@38.647,42.528 ; C41.1@38.675,22.6 38.7,22.6 38.75,22.55 38.75,22.15 v1(39.05,21.85) ; C37.1@38.675,42.5 38.7,42.5 38.75,42.45 38.75,42.05 v1(39.05,41.75)
  Top Layer w0.25: DD2.42@35.95,31.225 35.95,32 36.125,32.175 C53.1@36.125,33.15 36.125,33.725 v1@35.975,33.875 ; DD1.42@35.95,51.125 35.95,51.9 36.125,52.075 C55.1@36.125,52.4 C51.1@36.125,53.05 36.125,53.625 v1@35.975,53.775
  Bottom Layer w0.25: v3@31.225,27.975 C33.1@32.15,27.975 C25.1@32.8,27.975 ; v3@31.225,47.875 C29.1@32.15,47.875 C21.1@32.8,47.875
  Bottom Layer w0.5: v1(59.95,36.675) v1(60.75,36.675) C17.2@61.7,36.675 L4.2@63.025,36.675
  other v1: 35.925,33.875 35.925,53.775
eth_1V8: C16.2 C20.1 C24.1 C28.1 C32.1 C36.1 C40.1 C44.1 C48.1 DD1.13 DD1.48 DD2.13 DD2.48 L3.2 | length 29.4
  Top Layer w0.2: v1(32.2,24.05) 32.913,24.05 32.95,24.087 DD2.13@32.95,24.275 ; v1(32.2,43.95) 32.913,43.95 32.95,43.987 DD1.13@32.95,44.175
  Top Layer w0.25: C40.1@32.4,32.895 v1@32.4,33.55 ; C36.1@32.4,52.795 v1@32.4,53.45 ; C40.1@32.425,32.895 32.45,32.87 32.45,32 DD2.48@32.95,31.5 ; C36.1@32.425,52.795 32.45,52.77 32.45,51.9 DD1.48@32.95,51.4
  Top Layer w0.5: 32.6,37.7 48.95,37.7 49.6,38.35 L3.2@52.45,38.35
  Bottom Layer w0.25: C24.1@30.77,24.025 v1@32.175,24.025 ; C20.1@30.77,43.925 C28.1@31.395,43.925 v1@32.175,43.925
  other v1: 32.55,33.55 32.4,37.35 32.4,38.15 32.55,53.45
eth_AVDDH: C15.2 C19.1 C23.1 C27.1 C31.1 C35.1 C39.1 C43.1 C47.1 DD1.3 DD1.9 DD2.3 DD2.9 L2.2 | length 39
  Top Layer w0.2: v3(31.2,26.5) DD2.9@32.225,26.5 ; v3(31.2,29.5) DD2.3@32.225,29.5 ; v3(31.2,46.4) DD1.9@32.225,46.4 ; v3(31.2,49.4) DD1.3@32.225,49.4
  Top Layer w0.5: 34.95,36.3 55.75,36.3 59.675,40.225 C15.2@60.65,40.225 L2.2@62,40.225
  Bottom Layer w0.25: v3(31.2,26.5) C39.1@32.775,26.5 ; v3(31.2,29.5) 31.208,29.5 31.508,29.2 C23.1@32.625,29.2 ; v3(31.2,46.4) C43.1@32.125,46.4 C35.1@32.775,46.4 ; v3(31.2,49.4) 31.208,49.4 31.508,49.1 C27.1@31.975,49.1 C19.1@32.625,49.1
  other v1: 34.75,35.95 34.75,36.75
eth_DVDDH: C14.2 C18.1 C22.1 C26.1 C30.1 C34.1 C38.1 C42.1 C46.1 C50.1 C52.1 C54.1 C56.1 DD1.19 DD1.30 DD1.41 DD2.19 DD2.30 DD2.41 L1.2 R3.2 R4.2 R7.2 R8.1 R9.2 R10.1 R11.2 R12.1 R13.1 R14.1 R15.2 R16.1 R19.1 R22.2 R23.1 R24.1 R25.1 R30.1 R31.1 R32.1 R33.1 | length 40.6
  Top Layer w0.2: v1(22.525,34.275) R31.1@22.525,35.3 ; R30.1@22.525,56.45 v1(23.6,56.45) ; v1@35.95,23.25 DD2.19@35.95,24.275 ; v1@35.95,43.15 DD1.19@35.95,44.175 ; R8.1@36.63,21.075 R10.1@37.18,21.075 38.725,21.075 38.85,20.95 v1@39.4,20.95 ; R7.2@36.63,40.975 R9.2@37.18,40.975 38.3,40.975 38.3,40.05 v1(38.45,39.9) ; R24.1@37.275,19.7 v1@38.05,19.7 ; DD2.30@39.175,27.5 v1@41.6,27.5 ; DD1.30@39.175,47.4 v1@41.6,47.4
  Top Layer w0.25: R22.2@36.4,34.9 36.425,34.9 36.45,34.875 36.45,34.85 36.9,34.4 36.9,33.875 36.75,33.725 C52.1@36.75,33.15 C56.1@36.75,32.5 36.75,32.15 36.45,31.85 DD2.41@36.45,31.225 ; R19.1@36.4,54.8 36.425,54.8 36.45,54.775 36.45,54.75 36.9,54.3 36.9,53.775 36.75,53.625 C50.1@36.75,53.05 36.75,52.05 36.45,51.75 DD1.41@36.45,51.125 ; R4.2@40.95,33.3 v1(42.05,33.3) ; R3.2@40.95,53.2 v1(42.05,53.2)
  Bottom Layer w0.2: R33.1@29.4,33.1 v1(29.4,34.3) ; R32.1@29.4,53.35 v1(29.4,54.55) ; C22.1@35.15,24.225 C30.1@35.8,24.225 v1(35.8,23.25) ; C18.1@35.15,44.125 C26.1@35.8,44.125 v1(35.8,43.15) ; v1(38.45,39.9) 38.875,39.475 R23.1@39.3,39.475 ; v1(40.7,25.05) R25.1@41.525,25.05 ; R14.1@41.35,31.75 41.7,32.1 41.7,32.933 42.05,33.283 v1(42.05,33.3) ; R13.1@41.35,51.65 41.7,52 41.7,52.833 42.05,53.183 v1(42.05,53.2)
  Bottom Layer w0.5: v1(56.55,44.3) v1(57.35,44.3) 57.65,44.3 57.9,44.05 58.425,44.05 C14.2@58.45,44.025 59.475,44.025 59.69,43.81 59.74,43.81 L1.2@59.95,43.6
  other v1: 38.05,19.6 39.5,21 41.6,27.7 36.95,33.875 41.6,47.6 36.95,53.775